# Allegro board RK3588_Template_LP4XD200P232SD8_41R0X41R0_2133MHz_H1R6_V11_20220216.brd (continued)
## Routing (per net, layer and track width the routed paths; a pad name or vN(x,y) marks a point on that pad's centre or on a via; arc(x,y) is an arc through that point) (continued)
PCIE30X4_PRSNT_L: length 28
  TOP w0.089: U1000.AG28 v1(49.37,59.08)
  L6-S2 w0.089: 45.03,60.82 46.44,59.42 49.02,59.42 v1(49.37,59.08)
  L6-S2 w0.104: 23.88,59.83 24.86,59.83 25.48,60.46 25.48,60.71 25.85,61.08 26.99,61.08 27.63,61.72 43.95,61.72 44.83,60.83 45.03,60.83 45.03,60.82
PCIE30X4_PWREN_H: length 28.4
  TOP w0.089: U1000.Y27 50.34,54.2 v1(50.02,54.53)
  L6-S2 w0.089: v1(50.02,54.53) 49.96,54.53 49.62,54.19 49.24,54.19 49.02,53.98 49.02,53.75 48.83,53.55 46.52,53.55 46.06,54.02 44.99,54.02
  L6-S2 w0.104: 23.88,52.45 26.45,52.45 27.53,53.53 27.84,53.53 28.54,54.23 33.97,54.23 34.54,53.66 37.4,53.66 37.76,54.02 44.99,54.02
PCIE30X4_WAKEN_M1_L: length 29.4
  TOP w0.089: v1(50.67,59.73) 50.99,60.05 U1000.AJ26
  L6-S2 w0.089: 45.03,61.06 45.62,61.06 46.61,60.07 48.9,60.07 49.56,59.4 50.34,59.4 v1(50.67,59.73)
  L6-S2 w0.104: 45.03,61.06 44.15,61.95 27.54,61.95 26.89,61.31 25.75,61.31 25.25,60.81 25.25,60.55 24.77,60.07 23.88,60.07
PCIEX1_0_CLKREQN_M1_L: length 29.6
  TOP w0.089: U1000.AL29 v1(48.72,61.68)
  L3-POWER1 w0.089: v1(48.72,61.68) 48.41,61.99 48.41,63.1 48.19,63.32 47.94,63.32 47.76,63.5 47.76,63.83 47.73,63.86
  L3-POWER1 w0.104: 47.73,63.86 46.36,65.23 46.36,72.08 38.3,80.14 38.16,80.27 38.16,82.28 35.35,85.09
PCIEX1_0_PERSTN_M1_L: length 30.3
  TOP w0.089: U1000.AK27 v1(50.02,61.03)
  L3-POWER1 w0.089: 49.05,63.86 49.19,63.71 49.19,63.45 49.69,62.96 49.69,61.35 v1(50.02,61.03)
  L3-POWER1 w0.104: 36,85.09 38.63,82.47 38.63,82.28 38.63,80.46 46.86,72.23 46.86,66.04 48.64,64.26 48.64,64.23 48.87,64.01 48.89,64.01 49.05,63.86
PCIEX1_0_WAKEN_M1_L: length 29.7
  TOP w0.089: v1(49.37,61.68) U1000.AL28
  L3-POWER1 w0.089: v1(49.37,61.68) 49.03,62.01 49.03,63.11 48.83,63.31 48.58,63.31 48.4,63.5 48.4,63.76 48.3,63.86
  L3-POWER1 w0.104: 35.68,85.09 38.4,82.37 38.4,80.37 46.61,72.15 46.61,65.55 48.3,63.86
PCIEX1_1_CLKREQN_M1_L: length 26.6
  TOP w0.089: U1000.AK30 v1(48.07,61.03)
  L6-S2 w0.089: v1(48.07,61.03) 47.72,61.37 47.29,61.37 47.11,61.55 47.11,61.78 46.89,61.99 46.64,61.99 46.48,62.14 46.48,62.17 46.46,62.2 46.46,63.11 46.24,63.32 45.99,63.32 45.68,63.63 45.52,63.63
  L6-S2 w0.104: 23.88,63.16 24.17,63.16 24.64,63.63 45.52,63.63
PCIEX1_1_PERSTN_M1_L: length 27.2
  TOP w0.089: U1000.AM29 v1(48.72,62.33)
  L6-S2 w0.089: v1(48.72,62.33) 48.72,62.41 48.38,62.74 48.38,63.76 48.29,63.86
  L6-S2 w0.104: 23.88,64.82 24.2,65.15 24.39,65.15 24.39,65.15 46.99,65.15 48.2,63.95 48.2,63.95 48.29,63.86
PCIEX1_1_WAKEN_M1_L: length 27
  TOP w0.089: v1(48.07,61.68) 48.39,61.35 U1000.AL30
  L6-S2 w0.089: v1(48.07,61.68) 47.72,62.02 47.29,62.02 47.11,62.2 47.11,63.77 47.02,63.86
  L6-S2 w0.104: 23.88,64.17 23.92,64.21 24.35,64.64 44.87,64.64 44.87,64.64 45.19,64.64 45.19,64.64 46.23,64.64 47.02,63.86
PHONE_CTL: length 29.8
  TOP w0.089: U1000.F28 v1(49.37,45.43)
  BOTTOM w0.089: v1(49.37,45.43) 49.37,45.05 49.02,44.7 47.24,44.7 46.99,44.45 46.42,44.45 45.72,43.75 45.72,43.43 45.19,42.9 45.19,42.89 45,42.7 44.99,42.7
  BOTTOM w0.104: 44.99,42.7 39.65,37.36 23.98,37.36 23.88,37.25
PMIC_EXT_EN_OUT: length 2.8
  TOP w0.089: 85.6,101.73 85.66,101.66 86.18,101.66 86.68,101.17 86.68,101.03 87.17,100.53 U2200.39
  TOP w0.104: 85.6,101.73 v1(85.47,101.85)
PMIC_FB6: length 6.4
  TOP w0.104: R2202.2 C2216.2
  TOP w0.152: C2216.2 86.93,105.03 R2204.1 86.8,104.45 86.91,104.34 86.93,104.34 87.44,103.82 88.7,103.82 88.77,103.76 88.78,103.76 89.36,103.18 U2200.31
PMIC_FB9: length 10.3
  TOP w0.102: 93.47,92.46 93.47,94.87 93.21,95.13 U2200.66
  TOP w0.104: 93.42,91.52 93.45,91.54 93.45,92.19 93.47,92.22 93.47,92.46
  TOP w0.152: R2208.1 96.65,90.81 96.39,91.06 93.88,91.06 93.42,91.52
  TOP w0.203: R2207.2 C2233.2 97.24,90.42 97.18,90.37 R2208.1
PMIC_INT_L: length 44.3
  TOP w0.089: v1(95.66,103.98) 94.86,103.18 93.68,103.18 93.56,103.06 U2200.19 ; U1000.M30 v1(48.06,49.33)
  L6-S2 w0.104: v1(95.66,103.98) 95.66,104.49 94.22,105.93 89.7,105.93 88.79,105.03 78.23,105.03 77.98,105.28 69.6,105.28
  BOTTOM w0.089: 44.99,49.26 45.58,49.26 46.67,50.36 47.5,50.36 47.74,50.11 47.74,50.05 47.74,50.05 47.74,49.65 v1(48.06,49.33)
  BOTTOM w0.104: R2214.2 v1(95.66,103.98) ; 36.66,49.26 44.99,49.26
PMIC_PWR_CTRL1: length 3.2
  TOP w0.089: U2200.62 91.81,95.1 91.81,94.48 91.64,94.3 v1(91.64,94.26)
  BOTTOM w0.104: R1133.2 92.58,93.32 v1(91.64,94.26)
PMIC_PWR_CTRL2: length 4
  TOP w0.089: U2200.61 91.46,95.19 91.46,95.19 91.46,94.62 91.29,94.45 91.29,94.01 v1(91.69,93.61)
  BOTTOM w0.104: R1115.2 R1116.1 91.51,93.42 v1(91.69,93.61)
PMIC_PWR_CTRL3: length 5.6
  TOP w0.089: R1109.2 97.34,104.45 96.77,103.89 96.77,103.38 94.98,101.58
  TOP w0.104: R1110.1 R1109.2 ; 94.98,101.58 U2200.16
PMIC_SPI_CLK: length 13.5
  TOP w0.089: U2200.17 94.91,101.93 96.39,103.42 v1(96.39,103.5)
  L6-S2 w0.104: v1(32.64,48.26) 32.64,47.37 30.86,45.59 23.88,45.59
  BOTTOM w0.104: R1104.2 32.44,48.46 v1(32.64,48.26)
PMIC_SPI_CS: length 38.2
  TOP w0.089: U1000.K30 48.39,47.7 v1(48.72,47.38) ; U2200.18 93.91,102.78 94,102.87 95.12,102.87 96.51,104.26 96.51,104.78
  TOP w0.104: 96.51,104.78 96.51,106.03 96.72,106.25 97.23,106.25 97.34,106.36 R2212.1 v1(96.65,106.81)
  L6-S2 w0.089: v1(48.72,47.38) 48.33,46.99 46.21,46.99 45.74,46.51 45.18,46.51 45.15,46.48 44.99,46.48
  L6-S2 w0.104: v1(24.64,41.02) 24.38,40.77 24.38,40.16 24.76,39.78 24.76,39.24 25.53,38.48 29.46,38.48 30.48,39.5 30.48,40.39 31.24,41.15 39.07,41.15 44.4,46.48 44.99,46.48
PMIC_SPI_MOSI: length 34
  TOP w0.089: v1(96.27,102.36) 96.14,102.36 95.01,101.23 U2200.15 ; v1(49.37,48.68) 49.33,48.64 49.33,48.64 U1000.L29
  TOP w0.104: v1(27.62,49.54) 27.88,49.28 28.97,49.28 28.98,49.28 29.29,49.28 29.3,49.28 29.31,49.28 29.43,49.15 29.45,49.15 29.58,49.02 R1107.2
  L6-S2 w0.089: 44.99,47.88 45.09,47.88 45.13,47.92 48.61,47.92 v1(49.37,48.68)
  L6-S2 w0.104: 44.99,47.88 38.84,47.88 34.91,43.94 28.07,43.94 26.65,42.52 26.65,41.72 26.42,41.48 v1(26.42,41.28)
  BOTTOM w0.104: v1(96.27,102.36) 96.91,102.36 R2213.1 96.98,103.51 97.03,103.56
PMIC_SW1: length 1.3
  TOP w0.203: U2200.50 87.03,96.68 87,96.65 ; U2200.51 87.06,96.33 87,96.27
PMIC_SW2: length 1.1
  TOP w0.203: U2200.36 87.01,101.58 ; U2200.35 87.07,101.93
PMIC_SW3: length 1.2
  TOP w0.203: U2200.55 89.36,94.7 89.15,94.49
PMIC_SW4: length 0.8
  TOP w0.203: 92.2,103.38 92.16,103.34 U2200.23
PMIC_SW6: length 0.7
  TOP w0.203: 90.06,103.36 U2200.29
PMIC_SW7: length 0.8
  TOP w0.203: 86.87,99.57 86.95,99.48 U2200.42
PMIC_SW8: length 0.8
  TOP w0.203: 95.38,97.92 95.21,98.08 U2200.6
PMIC_SW9: length 0.8
  TOP w0.203: U2200.68 94.11,95.44 94.11,94.87
PMIC_SW10: length 0.7
  TOP w0.203: 91.11,103.31 U2200.26
PMIC_VDC: length 6.2
  TOP w0.152: v1(86.74,103.89) 86.87,103.89 87.18,103.57 88.6,103.57 89.01,103.15 U2200.32
  BOTTOM w0.508: v1(86.74,103.89) 86.67,103.89 86.16,104.39 C2265.1 86.16,105.41 R2217.2 R2216.1
POWER_LED_EN_H: length 27.5
  TOP w0.089: v1(49.37,54.53) U1000.AA28
  L6-S2 w0.089: 44.99,54.61 46.23,54.61 46.46,54.84 47.54,54.84 47.72,54.66 47.72,54.43 47.94,54.22 48.84,54.22 49.15,54.53 v1(49.37,54.53)
  L6-S2 w0.104: 44.99,54.61 41.91,54.61 40.89,55.63 35.05,55.63 34.25,54.83 24.67,54.83 24.25,54.4 23.88,54.4
PWM11_M3_1V8: length 28.5
  TOP w0.089: U1000.AB28 v1(50.01,55.18)
  L6-S2 w0.089: 44.99,55.3 45.78,55.3 46.36,55.88 48.07,55.88 48.43,55.52 49.51,55.52 49.85,55.18 v1(50.02,55.18)
  L6-S2 w0.104: 44.99,55.3 42.25,55.3 41.37,56.18 41.24,56.32 34.76,56.32 34.35,55.9 33.65,55.9 33.47,56.09 31.86,56.09 31.78,56.01 30.66,56.01 30.28,56.39 25.21,56.39 23.94,55.12 23.88,55.12
PWM15_M2: length 32
  TOP w0.089: U1000.D29 v1(48.71,43.48)
  BOTTOM w0.089: v1(48.71,43.48) 48.71,43.29 48.66,43.23 48.66,42.24 48.77,42.13 48.77,41.04
  BOTTOM w0.104: 48.77,41.04 48.77,40.54 40.11,31.88 23.88,31.88
PWRON_L: length 22
  TOP w0.089: v1(96.45,95.76) C2268.1 96.1,95.12 96.01,95.21 96.01,96.42 95.05,97.38 U2200.4
  L3-POWER1 w0.104: v1(96.45,95.76) 94.23,93.54 94.23,89.53 92.56,87.86 92.56,87.83 92.3,87.58 92.28,87.58 92.2,87.5 92.2,79.63
REFCLKO_25M: length 24.9
  TOP w0.089: v1(46.76,49.98) 46.44,50.3 U1000.P33
  BOTTOM w0.089: v1(46.76,49.98) 46.73,49.94 46.64,49.94 45.73,49.03 44.99,49.03
  BOTTOM w0.104: 44.99,49.03 36.21,49.03 35.97,48.79 35.66,48.79 35.43,48.56 35.43,48.42 34.13,47.12 30.73,47.12 29.97,47.88 23.88,47.88
RESET_L: length 43.8
  TOP w0.089: 87.5,100.18 87.14,100.18 86.49,100.84 86.49,101.09 86.11,101.47 85.6,101.47 ; U1000.M31 v1(47.41,48.68)
  TOP w0.104: 85.6,101.47 84.96,101.47 C2266.1 84.27,102.16 79.68,102.16 79.38,101.85 v1(79.12,101.85) ; 87.5,100.18 U2200.40
  L6-S2 w0.089: 44.99,48.37 47.11,48.37 v1(47.41,48.68)
  L6-S2 w0.104: 23.88,44.49 34.79,44.49 38.66,48.37 44.99,48.37
  BOTTOM w0.089: v1(47.41,48.68) 47.2,48.9 C1100.1 46.99,48.8 46.78,48.6 46.28,48.6 46.25,48.57 44.99,48.57
  BOTTOM w0.104: 44.99,48.57 42.85,48.57 41.91,47.62 41.08,47.62 R1100.1 ; R2215.2 78.99,101.98 v1(79.12,101.85)
RTC_INT_L: length 27
  TOP w0.089: v1(48.06,48.68) U1000.L30
  L6-S2 w0.089: 44.99,48.11 47.49,48.11 v1(48.06,48.68)
  L6-S2 w0.104: 44.99,48.11 38.73,48.11 34.82,44.2 27.95,44.2 26.42,42.67 26.42,41.81 26.04,41.43 26.04,41.12 26.42,40.74 v1(26.42,40.59)
RTL8111HS_ISOLATEB_L: length 42.9
  TOP w0.089: U1000.B25 51.94,42.2
  TOP w0.104: v1(33.02,24.51) 34.67,24.51 34.9,24.74 35,24.74 35.02,24.76 35.34,24.76 35.99,24.11 43.21,24.11 44.49,25.39 44.49,27.8 47.62,30.93 47.62,34.29 48.66,35.33 48.66,35.91 51.21,38.46 51.21,40.91 51.31,41.01 51.31,41.09 51.94,41.73 51.94,42.2
  L6-S2 w0.104: v1(33.02,24.51) 32.13,25.4 32.13,25.91 31.62,26.42 23.88,26.42
SARADC_VIN1_KEY/RECOVERY: length 32.5
  TOP w0.089: v1(57.81,61.68) U1000.AL16
  TOP w0.104: v1(66.68,84.2) 67.11,84.64 R1500.1 68.57,84.64 C1511.1
  L3-POWER1 w0.089: v1(57.81,61.68) 57.49,62 57.49,62.46 57.58,62.56 57.58,63.86
  L3-POWER1 w0.104: 67.29,84.84 66.99,84.54 66.99,84.39 66.8,84.2 v1(66.68,84.2) 66.48,84.39 65.09,84.39 64.42,83.73 62.45,83.73 59.56,80.84 59.49,80.84 57.58,78.93 57.58,63.86
SARADC_VIN2_LCD_ID1: length 52.9
  TOP w0.089: U1000.AK16 v1(57.81,61.03)
  L3-POWER1 w0.089: v1(57.81,61.03) 57.3,61.54 57.3,62.54 57.35,62.59 57.35,63.86
  L3-POWER1 w0.104: 57.35,63.86 57.35,77.45 56.57,78.23 54.49,78.23 53.72,79 v1(53.72,79.12)
  L6-S2 w0.104: 23.88,77.53 30.16,77.53 30.74,76.96 32.03,76.96 32.54,76.45 42.79,76.45 45.43,79.1 45.44,79.1 45.47,79.12 v1(53.72,79.12)
SARADC_VIN3_HP_HOOK: length 50.7
  TOP w0.104: U1000.AN17 56.84,62.65 v1(56.52,62.98)
  L3-POWER1 w0.089: v1(56.52,62.98) 56.86,63.32 56.86,63.86
  L3-POWER1 w0.104: v1(53.72,77.6) 56.36,77.6 56.86,77.09 56.86,63.86
  L6-S2 w0.104: 23.88,75.89 26.73,75.89 26.92,75.69 28.51,75.69 28.95,75.25 29.21,75.25 29.66,75.69 30.23,75.69 30.5,75.97 42.96,75.97 45.6,78.61 52.7,78.61 v1(53.72,77.6)
  BOTTOM w0.089: v1(56.52,62.98) 56.6,63.06 C1512.1
SARADC_VIN5_EVB_HW_ID: length 31.5
  TOP w0.089: v1(58.46,61.03) 58.14,60.7 U1000.AK15
  L3-POWER1 w0.089: 58.16,63.86 58.16,61.34 v1(58.46,61.03)
  L3-POWER1 w0.104: v1(67.94,85.09) 67.94,84.84 67.56,84.45 67.56,84 67.02,83.46 66.68,83.46 66.2,82.97 66.06,82.97 66.06,82.97 65.8,82.97 65.2,82.97 64.9,83.27 62.67,83.27 59.78,80.37 59.69,80.37 58.05,78.74 58.05,63.96 58.16,63.86
SARADC_VIN7_LCD_ID0: length 52.6
  TOP w0.089: U1000.AK17 v1(57.16,60.38)
  L3-POWER1 w0.089: 57.11,63.86 57.11,60.43 v1(57.16,60.38)
  L3-POWER1 w0.104: 57.11,63.86 57.11,77.3 56.43,77.98 54.1,77.98 v1(53.72,78.36)
  L6-S2 w0.104: v1(53.72,78.36) 53.34,78.36 52.83,78.87 45.53,78.87 42.86,76.2 30.35,76.2 30.1,75.95 27.18,75.95 27.01,76.12 23.88,76.12
SATA30_0_RXN: length 22.9
  TOP w0.076: U1000.N34 45.78,49.66 44.85,49.66 44.59,49.4 39.96,49.4 37.77,47.22 23.88,47.22
SATA30_0_RXP: length 23.7
  TOP w0.076: U1000.N33 46.15,49.94 44.74,49.94 44.48,49.68 39.84,49.68 37.66,47.5 23.88,47.5
SATA30_0_TXN: length 23.8
  TOP w0.076: U1000.M33 46.14,49.3 45.11,49.3 44.86,49.05 40.43,49.05 37.89,46.51 23.88,46.51
SATA30_0_TXP: length 23.1
  TOP w0.076: U1000.M34 45.77,49.02 45.23,49.02 44.97,48.77 40.55,48.77 38.01,46.23 23.88,46.23
SDMMC0_D0: length 25.9
  TOP w0.089: U1000.AD2 66.94,57.15 67.44,57.15 67.9,57.61 68.83,57.61 69.05,57.83 69.52,57.83 69.53,57.85 69.67,57.85 73.08,61.25 73.41,61.25
  TOP w0.104: 73.41,61.25 85.05,61.25 89.03,57.28
SDMMC0_D1: length 25.3
  TOP w0.089: U1000.AD1 67.42,56.8 68.02,57.4 68.83,57.4 68.84,57.41 68.92,57.41 69.14,57.64 69.57,57.64 69.58,57.64 69.6,57.64 69.61,57.66 69.93,57.66 70.92,58.65 70.92,58.81 71.11,59 71.28,59 73.22,60.95 73.28,60.95
  TOP w0.104: 73.28,60.95 84.85,60.95 89.03,56.77
SDMMC_CLK/MCU_JTAG_TMS_M0: length 25.1
  TOP w0.089: U1000.AE1 67.36,57.45 67.75,57.84 68.71,57.84 68.9,58.04 69.6,58.04 73.12,61.56 73.41,61.56
  TOP w0.104: 73.41,61.56 85.25,61.56 89.03,57.79
SDMMC_CMD/MCU_JTAG_TCK_M0: length 25.8
  TOP w0.089: U1000.AE2 66.9,57.76 67.39,57.76 67.7,58.08 68.58,58.08 68.87,58.37 69.64,58.37 73.14,61.87 73.41,61.87
  TOP w0.104: 73.41,61.87 85.32,61.87 89.03,58.17
SDMMC_D2/JTAG_TCK_M0: length 25.5
  TOP w0.089: 73.21,62.48 69.48,58.76 68.66,58.76 68.41,58.51 67.59,58.51 67.48,58.4 66.89,58.4 U1000.AF2
  TOP w0.104: 89.03,59.44 88.77,59.44 85.72,62.48 73.21,62.48
SDMMC_D3/JTAG_TMS_M0: length 24.9
  TOP w0.089: U1000.AF1 67.46,58.1 67.66,58.31 68.5,58.31 68.76,58.57 69.4,58.57 69.56,58.57 73.17,62.18 73.48,62.18
  TOP w0.104: 73.48,62.18 85.5,62.18 89.03,58.65
SDMMC_DET_L: length 9
  TOP w0.089: U1000.P31 47.74,50.3 v1(48.06,49.98)
  BOTTOM w0.089: 44.99,49.78 45.72,49.78 46.48,50.55 47.75,50.55 48.06,50.23 v1(48.06,49.98)
  BOTTOM w0.104: 40.26,49.78 44.99,49.78
SPI2_CLK_M2: length 14.9
  TOP w0.089: U1000.N31 v1(47.42,49.33)
  L6-S2 w0.089: v1(47.41,49.33) 47.26,49.33 46.82,48.89 44.99,48.89
  L6-S2 w0.104: 44.99,48.89 34.16,48.89 v1(33.91,48.64)
  BOTTOM w0.104: R1104.1 33.78,48.77 v1(33.91,48.64)
SPK_CTL_H: length 33.2
  TOP w0.089: U1000.E28 v1(49.37,44.13)
  BOTTOM w0.089: v1(49.37,44.13) 49.37,44.03 49.04,43.71 49.04,43.34 48.85,43.15 48.85,42.32 49,42.17 49,41.04
  BOTTOM w0.104: 49,41.04 49,40.44 40.2,31.64 23.88,31.64
TP_INT_L: length 24.3
  TOP w0.089: U1000.U33 46.14,52.55 45.67,52.55 45.37,52.25 43.73,52.25 43.21,52.77 v1(43.21,52.78)
  L6-S2 w0.104: v1(43.21,52.78) 42.76,53.22 39.39,53.22 38.76,52.59 33.46,52.59 32.68,51.82 29.08,51.82 28.39,51.12 25.14,51.12 24.5,51.75 23.88,51.75
TP_RST_L: length 40.3
  TOP w0.089: U1000.T29 49.04,51.6 v1(49.37,51.93)
  L3-POWER1 w0.089: 44.99,55.16 45.04,55.16 46.67,53.54 46.89,53.54 47.07,53.36 47.07,53.13 47.32,52.89 47.54,52.89 47.72,52.71 47.72,52.48 47.97,52.24 48.19,52.24 49.06,52.24 v1(49.37,51.93)
  L3-POWER1 w0.104: 44.99,55.16 44.74,55.16 42.13,57.77 42.13,59.38 41.99,59.52 41.99,59.52 36.21,65.3 35.41,65.3 34.92,65.79 34.92,65.97 28.57,72.32 28.57,74.8 25.78,77.6 v1(25.78,78.49)
  L6-S2 w0.104: 23.88,78.49 v1(25.78,78.49)
TSADC_SHUT_H: length 7.2
  TOP w0.089: v1(47.41,49.98) 47.09,50.3 U1000.P32
  BOTTOM w0.089: 44.99,48.8 45.77,48.8 46.63,49.65 47.12,49.65 47.41,49.95 v1(47.41,49.98)
  BOTTOM w0.104: R1100.2 42.14,48.8 44.99,48.8
TYPEC0_OTG_DM: length 26.5
  TOP w0.084: U1000.AM12 v1(60.41,62.33)
  BOTTOM w0.084: 62.61,85.09 62.61,73.86 62.74,73.73 62.74,73.73 62.87,73.61 62.87,73.36 62.74,73.23 62.74,73.23 62.61,73.11 62.61,72.86 62.74,72.73 62.74,72.73 62.87,72.61 62.87,72.35 62.74,72.23 62.74,72.23 62.61,72.1 62.61,71.85 62.74,71.73 62.74,71.73 62.87,71.6 62.87,71.35 62.74,71.23 62.74,71.23 62.61,71.1 62.61,70.85 62.74,70.72 62.74,70.72 62.87,70.6 62.87,70.35 62.74,70.22 62.74,70.22 62.61,70.1 62.61,69.85 62.74,69.72 62.74,69.72 62.87,69.6 62.87,69.35 62.74,69.22 62.74,69.22 62.61,69.1 62.61,68.84 62.74,68.72 62.74,68.72 62.87,68.59 62.87,68.34 62.74,68.22 62.74,68.22 62.61,68.09 62.61,67.1 62.6,67.09 62.6,66.93 62.42,66.75 62.26,66.75 62.08,66.57 62.08,66.42 61.91,66.24 61.75,66.24 61.57,66.06 61.57,65.91 61.4,65.73 61.24,65.73 60.44,64.93 60.44,62.84 60.01,62.41 60.01,62.16 60.07,62.1 60.19,62.1 v1(60.41,62.33)
TYPEC0_OTG_DP: length 25.3
  TOP w0.084: U1000.AL12 v1(60.41,61.68)
  BOTTOM w0.084: 62.41,85.09 62.41,67.19 60.24,65.02 60.24,62.93 59.8,62.49 59.8,62.08 59.98,61.9 60.19,61.9 v1(60.41,61.68)
TYPEC0_REXT: length 1
  TOP w0.254: U1000.AH16 v1(57.81,59.73)
  BOTTOM w0.254: R1402.1 57.41,60 57.41,60 57.41,60.02 57.45,60.02 57.65,59.82 57.73,59.82 v1(57.81,59.73)
TYPEC0_SBU1: length 24.9
  TOP w0.084: U1000.AL15 v1(58.46,61.68)
  BOTTOM w0.084: 60.83,85.09 60.83,73.82 60.83,67.82 58.79,65.78 58.79,64.63 58.75,64.59 58.75,64.44 58.71,64.4 58.71,63.86 58.79,63.78 58.79,62.01 v1(58.46,61.68)
TYPEC0_SBU1_DC: length 48.1
  TOP w0.089: v1(50.02,61.68) U1000.AL27
  L6-S2 w0.089: 50.02,63.86 50.02,62.89 50.34,62.56 50.34,62 v1(50.02,61.68)
  L6-S2 w0.104: 89.03,74.84 81.25,74.84 80.82,74.41 80.33,73.91 62.64,73.91 62.62,73.93 60.06,73.93 60.04,73.91 57.62,73.91 57.59,73.89 56.91,73.21 56.91,73.21 52.18,68.48 51.85,68.48 51.41,68.04 51.41,65.67 50.02,64.28 50.02,63.86
TYPEC0_SBU2: length 24.2
  TOP w0.084: U1000.AM15 v1(58.46,62.33)
  BOTTOM w0.084: v1(58.46,62.33) 58.59,62.45 58.59,63.69 58.5,63.78 58.5,64.49 58.54,64.52 58.54,64.67 58.59,64.72 58.59,65.86 60.63,67.9 60.63,85.09
TYPEC0_SBU2_DC: length 47.8
  TOP w0.089: v1(50.02,62.33) U1000.AM27
  L6-S2 w0.089: 49.69,63.86 49.69,62.65 v1(50.02,62.33)
  L6-S2 w0.104: 49.69,63.86 49.69,64.28 51.18,65.77 51.18,68.14 51.75,68.71 52.09,68.71 57.49,74.12 57.52,74.15 59.24,74.15 59.26,74.16 62.72,74.16 62.74,74.15 80.23,74.15 80.59,74.51 81.16,75.07 89.03,75.07
TYPEC0_SSRX1N: length 23.1
  TOP w0.081: U1000.AP13 59.44,63.37 59.31,63.5 59.31,67.31 59.53,67.53 59.53,73.18 58.8,73.91 58.8,83.06 60.83,85.09
TYPEC0_SSRX1P: length 23.8
  TOP w0.081: 60.49,85.09 58.56,83.16 58.56,73.81 59.29,73.08 59.29,67.63 59.07,67.41 59.07,63.4 59.15,63.32 59.15,62.95 U1000.AN13
TYPEC0_SSRX2N: length 23.9
  TOP w0.081: 58.42,85.09 56.58,83.25 56.58,73.72 57.86,72.44 57.86,67.85 58.04,67.67 58.04,67.43 57.86,67.25 57.86,67.01 58.04,66.83 58.04,66.59 57.86,66.41 57.86,66.16 58.04,65.98 58.04,65.74 57.86,65.56 57.86,65.32 58.04,65.14 58.04,64.89 57.86,64.72 57.86,64.47 58.04,64.29 58.04,64.05 57.86,63.87 57.86,63.69 58.02,63.52 58.02,63.42 U1000.AP15
TYPEC0_SSRX2P: length 23.9
  TOP w0.081: 58.08,85.09 56.34,83.35 56.34,73.62 57.62,72.34 57.62,63.59 57.78,63.42 57.78,63.01 U1000.AN15
TYPEC0_SSTX1N: length 23.9
  TOP w0.081: U1000.AN14 58.43,63.01 58.43,63.42 58.37,63.49 58.37,71.71 58.46,71.8 58.46,72.73 57.4,73.79 57.4,83.19 59.31,85.09
TYPEC0_SSTX1P: length 24.6
  TOP w0.081: 59.65,85.09 57.65,83.08 57.65,73.89 58.7,72.83 58.7,71.7 58.61,71.61 58.61,71.42 58.71,71.32 58.8,71.23 58.8,70.99 58.71,70.89 58.61,70.8 58.61,70.55 58.71,70.46 58.8,70.36 58.8,70.12 58.71,70.03 58.61,69.93 58.61,69.69 58.71,69.59 58.8,69.5 58.8,69.26 58.71,69.16 58.61,69.07 58.61,68.82 58.71,68.73 58.8,68.63 58.8,68.39 58.71,68.3 58.61,68.2 58.61,67.96 58.71,67.86 58.8,67.77 58.8,67.52 58.71,67.43 58.61,67.33 58.61,67.09 58.71,67 58.8,66.9 58.8,66.66 58.71,66.56 58.61,66.47 58.61,66.23 58.71,66.13 58.8,66.04 58.8,65.79 58.71,65.7 58.61,65.6 58.61,65.36 58.71,65.27 58.8,65.17 58.8,64.93 58.71,64.83 58.61,64.74 58.61,64.49 58.71,64.4 58.8,64.31 58.8,64.06 58.71,63.97 58.61,63.87 58.61,63.69 58.67,63.63 58.67,63.42 U1000.AP14
TYPEC0_SSTX2N: length 23.9
  TOP w0.081: U1000.AN16 57.13,63.01 57.13,63.42 56.91,63.65 56.91,71.87 55.37,73.41 55.37,82.67 55.37,83.69 56.77,85.09
TYPEC0_SSTX2P: length 25
  TOP w0.081: U1000.AP16 57.49,63.3 57.37,63.41 57.37,63.52 57.15,63.75 57.15,64.05 57.28,64.18 57.28,64.42 57.15,64.55 57.15,64.79 57.28,64.92 57.28,65.16 57.15,65.29 57.15,65.53 57.28,65.66 57.28,65.9 57.15,66.03 57.15,66.27 57.28,66.4 57.28,66.64 57.15,66.77 57.15,67.02 57.28,67.14 57.28,67.39 57.15,67.51 57.15,67.76 57.28,67.88 57.28,68.13 57.15,68.26 57.15,68.5 57.28,68.63 57.28,68.87 57.15,69 57.15,69.24 57.28,69.37 57.28,69.61 57.15,69.74 57.15,69.98 57.28,70.11 57.28,70.35 57.15,70.48 57.15,70.72 57.28,70.85 57.28,71.09 57.15,71.22 57.15,71.97 55.61,73.51 55.61,73.82 55.75,73.96 55.75,74.2 55.61,74.34 55.61,74.59 55.75,74.73 55.75,74.97 55.61,75.11 55.61,75.35 55.75,75.49 55.75,75.74 55.61,75.88 55.61,76.12 55.75,76.26 55.75,76.5 55.61,76.64 55.61,76.89 55.75,77.03 55.75,77.27 55.61,77.41 55.61,77.65 55.75,77.79 55.75,78.04 55.61,78.18 55.61,78.42 55.75,78.56 55.75,78.8 55.61,78.94 55.61,82.77 55.61,83.59 57.11,85.09
TYPEC0_USB20_OTG_ID: length 30.9
  TOP w0.089: U1000.AL14 58.79,61.35 v1(59.11,61.68)
  L3-POWER1 w0.089: v1(59.11,61.68) 58.77,62.02 58.77,62.61 58.39,63 58.39,63.76 58.39,63.86
  L3-POWER1 w0.104: v1(67.94,84.13) 67.94,84.06 67.12,83.23 66.78,83.23 66.29,82.74 66.16,82.74 65.1,82.74 64.81,83.04 62.86,83.04 62.8,82.98 60.13,80.31 60.13,80.12 60.13,80.12 60.13,79.93 59.95,79.74 59.8,79.74 58.28,78.22 58.28,64.06 58.39,63.95 58.39,63.86
  BOTTOM w0.104: 67.31,84.64 67.31,84.58 67.76,84.13 v1(67.94,84.13)
TYPEC0_USB20_VBUSDET: length 30.3
  TOP w0.089: U1000.AM14 v1(59.11,62.33)
  L3-POWER1 w0.089: 58.67,63.86 58.67,63.25 59.11,62.8 v1(59.11,62.33)
  L3-POWER1 w0.104: 58.67,63.86 58.67,64.11 58.51,64.28 58.51,78.12 59.9,79.51 60.04,79.51 60.37,79.83 60.37,80.21 62.96,82.8 64.71,82.8 65,82.51 65.61,82.51 66.39,82.51 66.87,83 67.22,83 67.97,83.75 68.1,83.75 68.32,83.97 68.32,84.11 68.33,84.11 68.33,85.09
TYPEC1_OTG_DM: length 33
  TOP w0.084: v1(62.36,61.68) U1000.AL9
  BOTTOM w0.084: v1(62.36,61.68) 62.36,61.6 62.22,61.45 62.03,61.45 61.93,61.56 61.93,62.56 62.36,62.99 62.36,64.39 62.75,64.78 64.27,64.78 64.5,65.01 64.75,65.01 64.93,65.18 64.93,65.44 65.11,65.62 65.36,65.62 65.54,65.79 65.54,66.05 65.72,66.23 65.97,66.23 66.15,66.4 66.15,66.66 66.33,66.84 66.58,66.84 66.76,67.01 66.76,67.27 66.93,67.44 88.14,67.44 89.03,66.55
TYPEC1_OTG_DP: length 33
  TOP w0.084: U1000.AK9 v1(62.36,61.03)
  BOTTOM w0.084: v1(62.36,61.03) 62.14,61.25 61.95,61.25 61.72,61.47 61.72,62.65 62.15,63.08 62.15,64.47 62.67,64.99 64.19,64.99 66.84,67.64 88.22,67.64 89.03,66.84
TYPEC1_REXT: length 1
  TOP w0.254: U1000.AG16 v1(57.81,59.08)
  BOTTOM w0.254: v1(57.81,59.08) 57.51,59.39 R1410.1
TYPEC1_SSRX1N: length 30.3
  TOP w0.084: v1(64.14,66.7) 63.99,66.85 63.86,66.85 63.75,66.75 63.75,66.29 62.56,65.1 62.56,64.26 62.74,64.09 62.74,63.93 62.56,63.75 62.56,63.43 62.69,63.3 U1000.AP8
  BOTTOM w0.084: 89.03,67.69 88.52,68.2 66.07,68.2 64.81,66.93 64.37,66.93 v1(64.14,66.7)
TYPEC1_SSRX1P: length 31.4
  TOP w0.084: U1000.AN8 62.36,62.98 62.36,65.19 63.55,66.38 63.55,66.83 63.77,67.06 64.01,67.06 64.14,67.18 v1(64.14,67.36)
  BOTTOM w0.084: 89.03,67.98 88.6,68.4 65.99,68.4 64.72,67.14 64.36,67.14 v1(64.14,67.36)
TYPEC1_SSTX1N: length 35.8
  TOP w0.084: U1000.AN9 61.75,62.95 61.75,65.55 63.09,66.9 63.09,68.19 71.95,77.04 89.03,77.04
TYPEC1_SSTX1P: length 35.8
  TOP w0.084: 89.03,76.84 72.03,76.84 65.6,70.41 65.6,70.29 65.6,70.18 65.43,70 65.31,70 65.19,70 65.02,69.82 65.02,69.7 65.02,69.59 64.84,69.41 64.72,69.41 64.61,69.41 64.43,69.23 64.43,69.12 64.43,69.12 64.43,69 64.25,68.82 64.13,68.82 64.13,68.82 64.02,68.82 63.84,68.64 63.84,68.53 63.84,68.53 63.84,68.41 63.66,68.23 63.55,68.23 63.55,68.23 63.43,68.23 63.3,68.1 63.3,66.81 63.05,66.56 63.05,66.35 62.87,66.17 62.66,66.17 62.48,66 62.48,65.78 62.3,65.61 62.09,65.61 61.95,65.46 61.95,64.96 62.1,64.81 62.1,64.56 61.95,64.41 61.95,64.15 62.1,64 62.1,63.75 61.95,63.6 61.95,63.39 U1000.AP9
UART2_RX_M0_DEBUG: length 27.7
  TOP w0.089: v1(48.72,51.28) 49.04,50.95 U1000.R29
  L6-S2 w0.089: 44.99,51.12 45.41,51.12 45.94,50.59 47.45,50.59 47.83,50.97 48.41,50.97 v1(48.72,51.28)
  L6-S2 w0.104: 44.99,51.12 44.98,51.12 44.06,51.12 44.06,51.13 43,51.13 42.81,51.31 38.26,51.31 37.85,50.89 30.49,50.89 30.42,50.82 30.42,50.82 29.1,49.5 29.1,49.5 28.61,49.01 28.6,49.01 28.26,48.67 26.52,48.67 26.5,48.69 26.48,48.69 26.34,48.82 25.86,49.3 24.92,49.3 23.88,50.35
UART2_TX_M0_DEBUG: length 28.4
  TOP w0.089: U1000.P29 49.04,50.3 v1(49.37,49.98)
  L6-S2 w0.089: 44.99,48.66 46.94,48.66 46.96,48.69 47.28,49 48.85,49 49.06,49.21 49.06,49.67 v1(49.37,49.98)
  L6-S2 w0.104: 44.99,48.66 38.61,48.66 34.67,44.73 23.88,44.73
UART8_CTSN_M1_BT: length 32
  TOP w0.089: U1000.AH30 v1(48.07,59.73)
  L3-POWER1 w0.089: 45.03,62.32 46.64,60.72 46.86,60.72 47.11,60.48 47.11,60.25 47.32,60.04 47.54,60.04 47.85,59.73 v1(48.07,59.73)
  L3-POWER1 w0.104: 34.04,85.09 37.24,81.89 37.24,79.89 43.31,73.82 43.31,64.05 45.03,62.32
UART8_RTSN_M1_BT: length 36.1
  TOP w0.089: U1000.AD28 49.69,56.8 v1(49.37,57.13)
  L3-POWER1 w0.089: v1(49.37,57.13) 49.15,57.13 48.84,57.44 47.97,57.44 47.72,57.68 47.72,57.91 47.51,58.12 47.29,58.12 47.07,58.33 47.07,58.56 46.86,58.77 46.64,58.77 45.03,60.37
  L3-POWER1 w0.104: 45.03,60.37 42.49,62.92 42.49,73.61 36.55,79.56 36.55,81.61 33.06,85.09
UART8_RX_M1_BT: length 35.6
  TOP w0.089: U1000.AE27 v1(50.02,57.78)
  L3-POWER1 w0.089: v1(50.02,57.78) 49.69,58.1 49.21,58.1 49.02,58.29 49.02,58.56 48.84,58.74 47.97,58.74 47.76,58.95 47.76,59.18 47.51,59.42 47.29,59.42 47.07,59.63 47.07,59.86 46.86,60.07 46.64,60.07 45.03,61.67